# KiCad board Sandy_3in1.kicad_pcb
title: Sandy; date: 2023-01-06; rev: v.0; company: @jpskenn
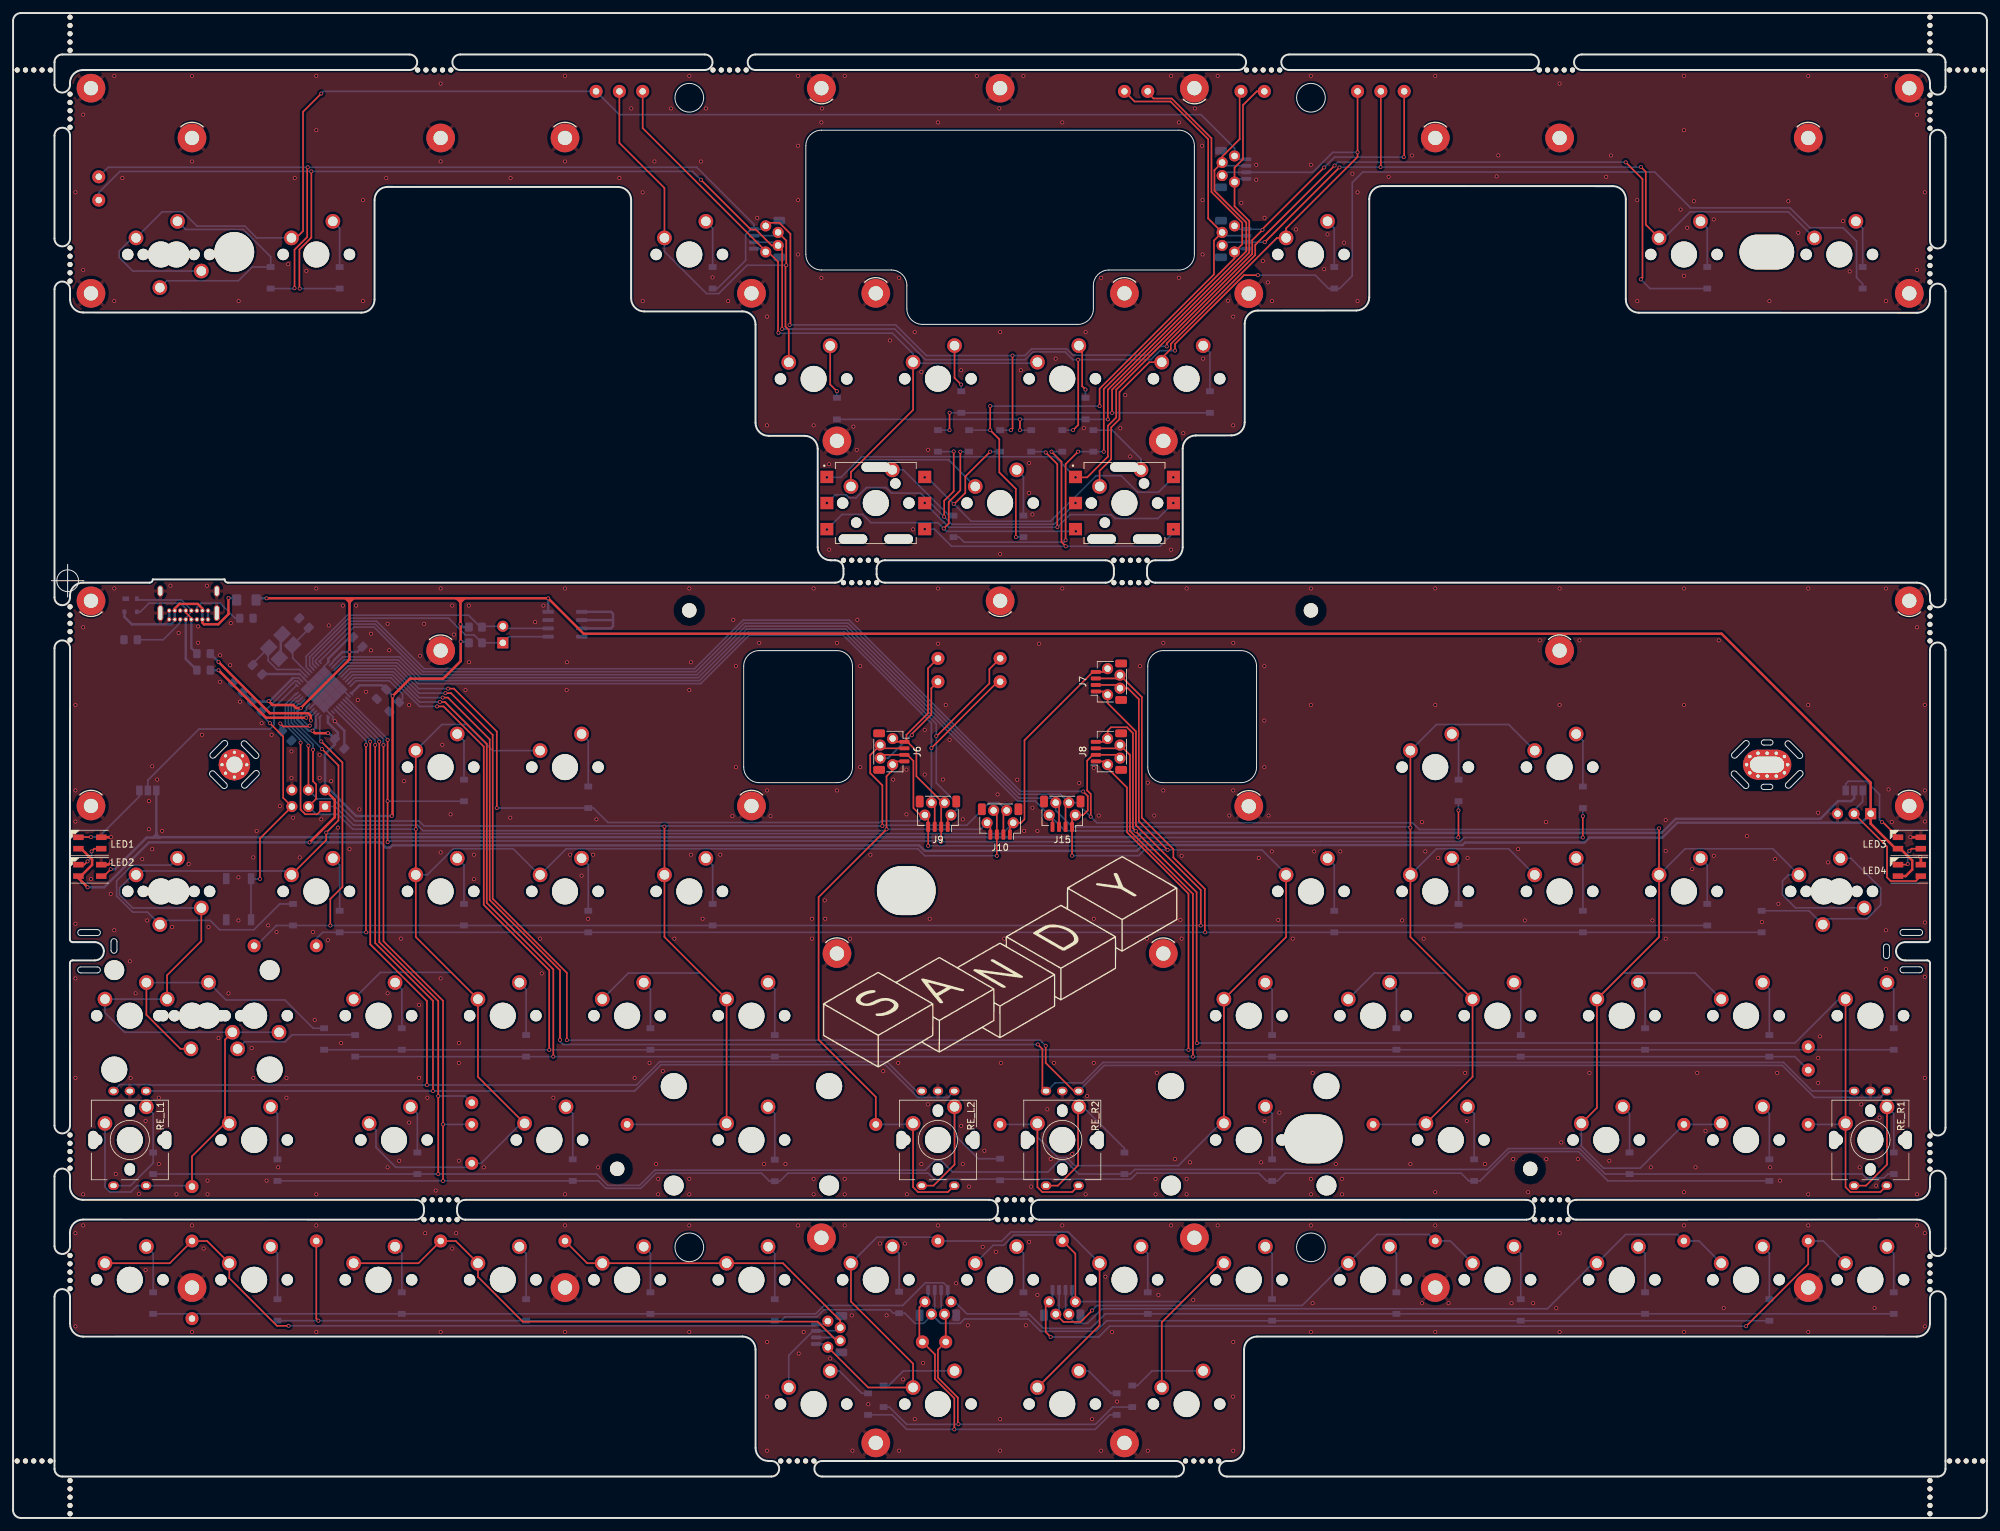
[diagram p0: board, top side]
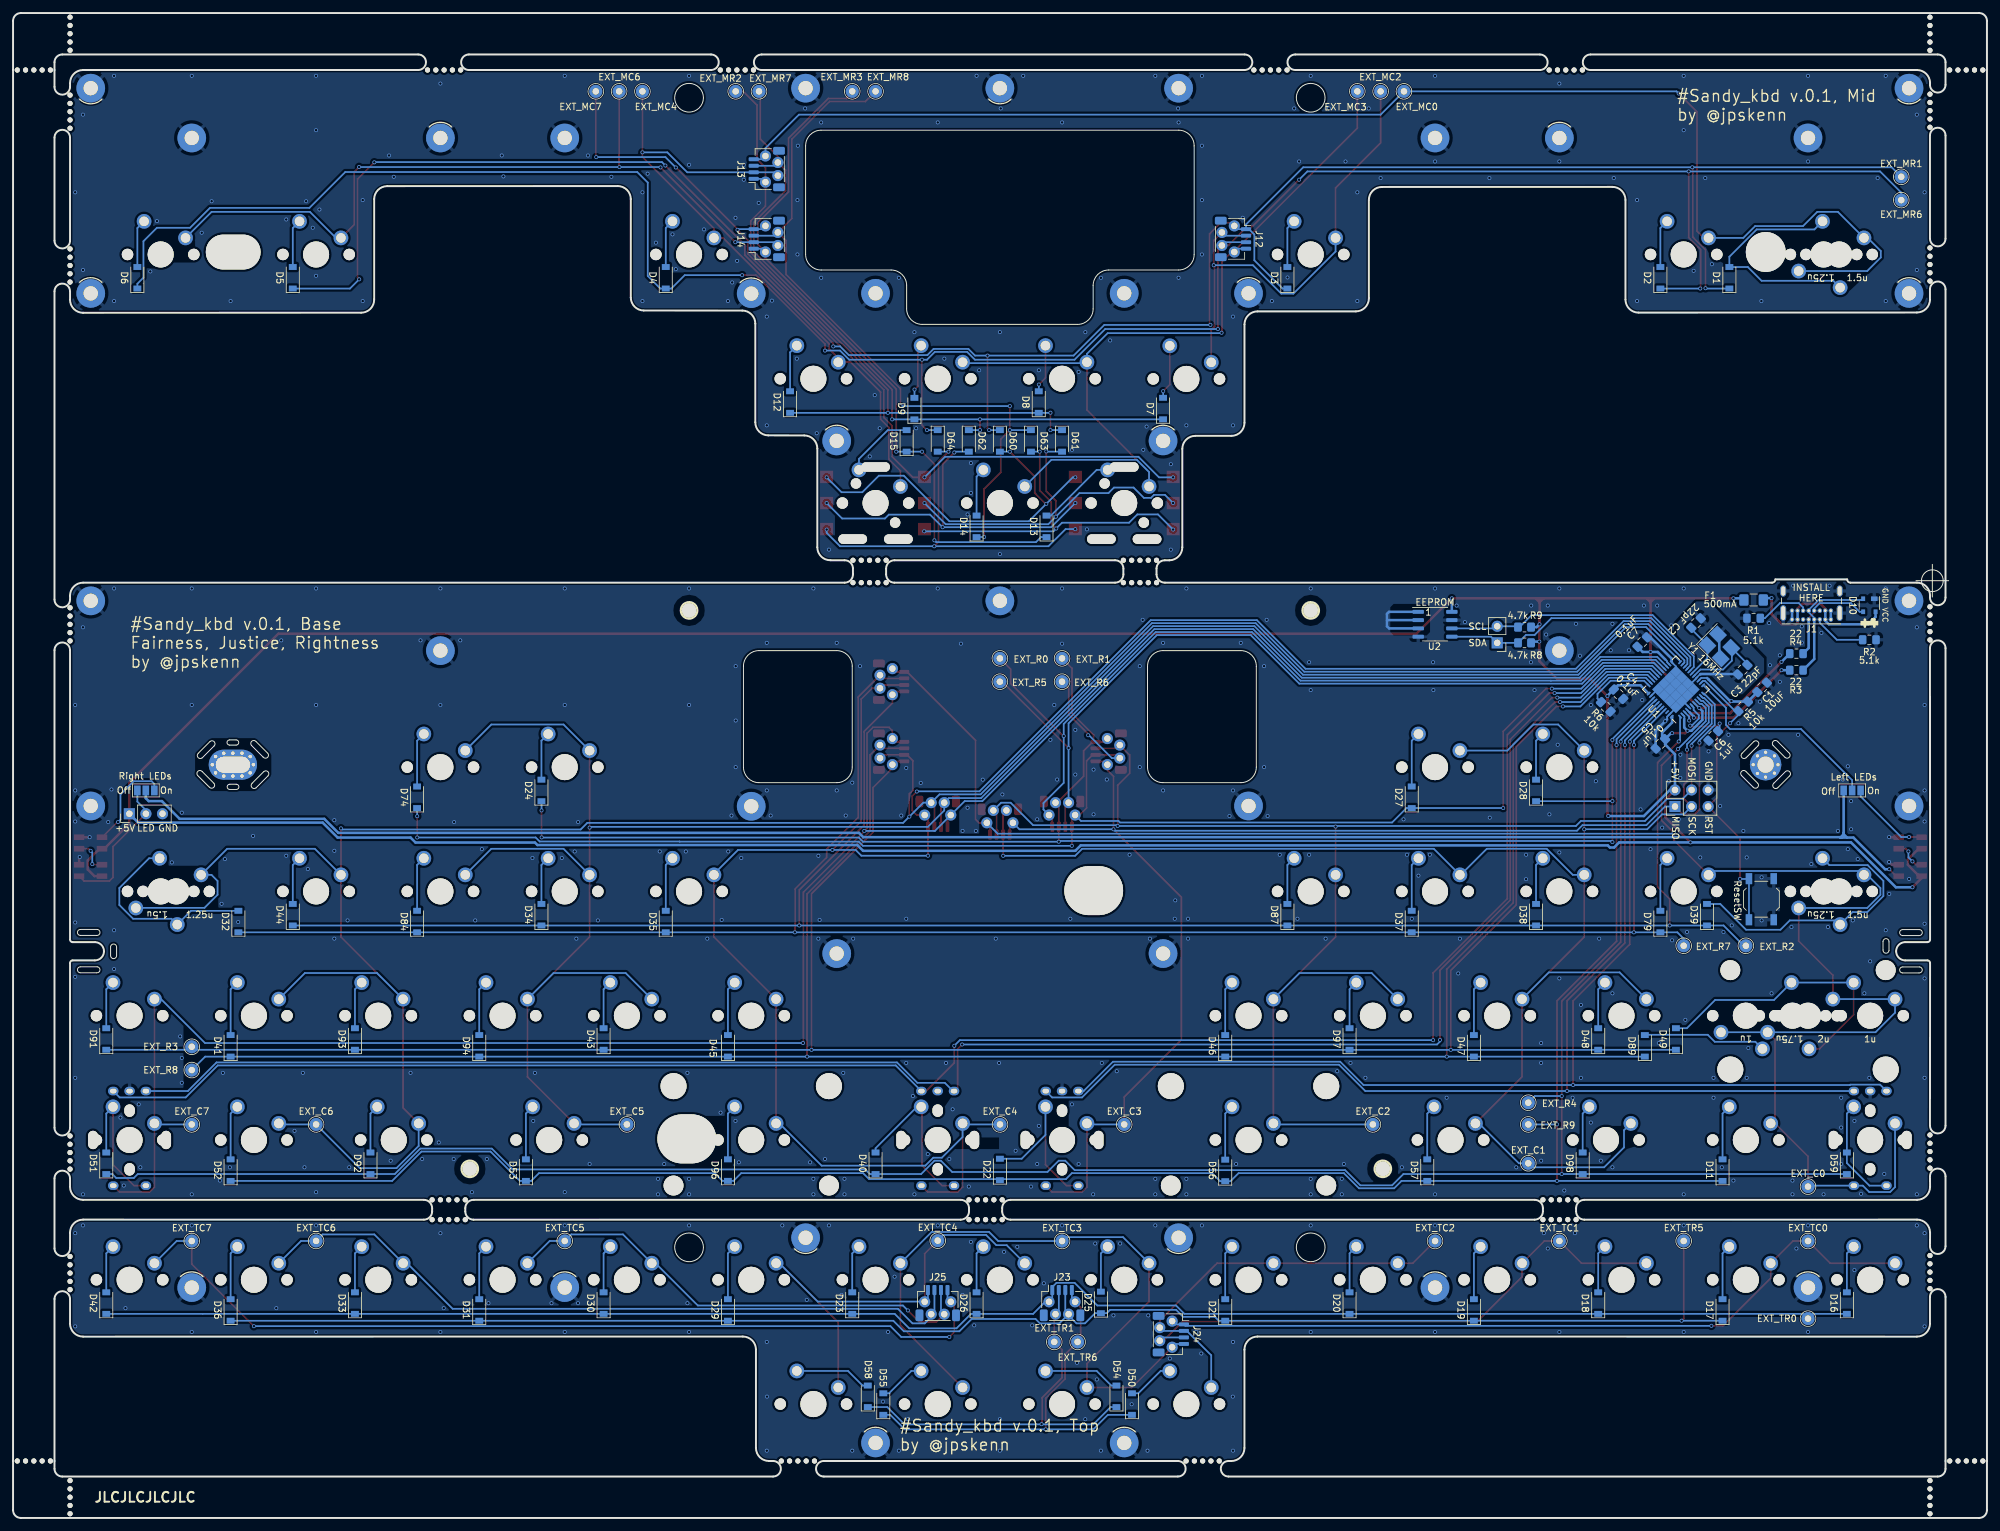
[diagram p1: board, bottom side, seen from below]

Outline 302.45 x 230.68 mm; copper layers: Top, Bottom. Coordinates in mm from the lower left corner of the outline.
Stack: Top 0.035mm / dielectric 1.51mm FR4 er 4.5 / Bottom 0.035mm

## Placement (name value [footprint] x y rotation side)
C1  10uF  [C_0805_2012Metric_Pad1.15x1.40mm_HandSolder]  34.45 127.32 315 bottom
C2  22pF  [C_0805_2012Metric_Pad1.15x1.40mm_HandSolder]  44.58 137.17 135 bottom
C3  22pF  [C_0805_2012Metric_Pad1.15x1.40mm_HandSolder]  37.43 130.03 315 bottom
C4  0.1uF  [C_0805_2012Metric_Pad1.15x1.40mm_HandSolder]  56.46 126.27 45 bottom
C5  0.1uF  [C_0805_2012Metric_Pad1.15x1.40mm_HandSolder]  50.04 118.66 135 bottom
C6  1uF  [C_0805_2012Metric_Pad1.15x1.40mm_HandSolder]  41.93 119.88 315 bottom
C7  0.1uF  [C_0805_2012Metric_Pad1.15x1.40mm_HandSolder]  52.82 134.26 315 bottom
D1  D  [D_SOD-123]  39.47 190.1 90 bottom
D2  D  [D_SOD-123]  50.04 190.1 90 bottom
D3  D  [D_SOD-123]  107.19 190.1 90 bottom
D4  D  [D_SOD-123]  202.44 190.1 90 bottom
D5  D  [D_SOD-123]  259.59 190.1 90 bottom
D6  D  [D_SOD-123]  283.4 190.1 90 bottom
D7  D  [D_SOD-123]  126.24 170.05 90 bottom
D8  D  [D_SOD-123]  145.29 171.05 90 bottom
D9  D  [D_SOD-123]  164.34 170.04 90 bottom
D10  PRTR5V0U2X  [SOT-143]  18.02 139.9 270 bottom
D11  D  [D_SOD-123]  40.51 53.32 90 bottom
D12  D  [D_SOD-123]  183.39 171.05 90 bottom
D13  D  [D_SOD-123]  144.1 152 90 bottom
D14  D  [D_SOD-123]  154.81 152 90 bottom
D15  D  [D_SOD-123]  165.53 165.09 90 bottom
D16  D  [D_SOD-123]  21.46 32.93 90 bottom
D17  D  [D_SOD-123]  40.51 31.88 90 bottom
D18  D  [D_SOD-123]  59.56 32.93 90 bottom
D19  D  [D_SOD-123]  78.61 31.88 90 bottom
D20  D  [D_SOD-123]  97.66 32.93 90 bottom
D21  D  [D_SOD-123]  116.71 31.88 90 bottom
D22  D  [D_SOD-123]  151.24 53.42 90 bottom
D23  D  [D_SOD-123]  173.86 32.93 90 bottom
D24  D  [D_SOD-123]  221.49 111.52 90 bottom
D25  D  [D_SOD-123]  135.76 33.03 90 bottom
D26  D  [D_SOD-123]  154.81 32.93 90 bottom
D27  D  [D_SOD-123]  88.14 110.47 90 bottom
D28  D  [D_SOD-123]  69.09 111.52 90 bottom
D29  D  [D_SOD-123]  192.91 31.88 90 bottom
D30  D  [D_SOD-123]  211.96 32.93 90 bottom
D31  D  [D_SOD-123]  231.01 31.88 90 bottom
D32  D  [D_SOD-123]  267.92 91.42 90 bottom
D33  D  [D_SOD-123]  250.06 32.93 90 bottom
D34  D  [D_SOD-123]  221.49 92.47 90 bottom
D35  D  [D_SOD-123]  202.44 91.42 90 bottom
D36  D  [D_SOD-123]  269.11 31.88 90 bottom
D37  D  [D_SOD-123]  88.14 91.42 90 bottom
D38  D  [D_SOD-123]  69.09 92.47 90 bottom
D39  D  [D_SOD-123]  42.9 92.47 90 bottom
D40  D  [D_SOD-123]  170.29 54.37 90 bottom
D41  D  [D_SOD-123]  269.11 72.37 90 bottom
D42  D  [D_SOD-123]  288.16 32.93 90 bottom
D43  D  [D_SOD-123]  211.96 73.42 90 bottom
D44  D  [D_SOD-123]  259.59 92.47 90 bottom
D45  D  [D_SOD-123]  192.91 72.37 90 bottom
D46  D  [D_SOD-123]  116.71 72.37 90 bottom
D47  D  [D_SOD-123]  78.61 72.37 90 bottom
D48  D  [D_SOD-123]  59.56 73.42 90 bottom
D49  D  [D_SOD-123]  47.66 73.42 90 bottom
D50  D  [D_SOD-123]  131 17.46 90 bottom
D51  D  [D_SOD-123]  288.16 54.37 90 bottom
D52  D  [D_SOD-123]  269.11 53.32 90 bottom
D53  D  [D_SOD-123]  223.87 53.32 90 bottom
D54  D  [D_SOD-123]  133.38 18.65 90 bottom
D55  D  [D_SOD-123]  169.1 17.46 90 bottom
D56  D  [D_SOD-123]  116.71 53.27 90 bottom
D57  D  [D_SOD-123]  85.76 53.32 90 bottom
D58  D  [D_SOD-123]  171.48 18.65 90 bottom
D59  D  [D_SOD-123]  21.46 54.37 90 bottom
D60  D  [D_SOD-123]  151.24 165.09 270 bottom
D61  D  [D_SOD-123]  141.72 165.09 270 bottom
D62  D  [D_SOD-123]  156 165.09 270 bottom
D63  D  [D_SOD-123]  146.48 165.09 270 bottom
D64  D  [D_SOD-123]  160.77 165.09 270 bottom
D74  D  [D_SOD-123]  240.54 110.47 90 bottom
D79  D  [D_SOD-123]  50.04 91.42 90 bottom
D84  D  [D_SOD-123]  240.54 91.42 90 bottom
D87  D  [D_SOD-123]  107.19 92.47 90 bottom
D89  D  [D_SOD-123]  52.42 72.37 90 bottom
D91  D  [D_SOD-123]  288.16 73.42 90 bottom
D92  D  [D_SOD-123]  247.68 54.37 90 bottom
D93  D  [D_SOD-123]  250.06 73.42 90 bottom
D94  D  [D_SOD-123]  231.01 72.37 90 bottom
D96  D  [D_SOD-123]  192.91 53.32 90 bottom
D97  D  [D_SOD-123]  97.66 73.42 90 bottom
D98  D  [D_SOD-123]  61.95 54.37 90 bottom
EXT_C0  Conn_01x01  [TestPoint_THTPad_D2.0mm_Drill1.0mm]  27.42 50.79 180 bottom
EXT_C1  Conn_01x01  [TestPoint_THTPad_D2.0mm_Drill1.0mm]  70.28 54.37 180 bottom
EXT_C2  Conn_01x01  [TestPoint_THTPad_D2.0mm_Drill1.0mm]  94.09 60.32 180 bottom
EXT_C3  Conn_01x01  [TestPoint_THTPad_D2.0mm_Drill1.0mm]  132.19 60.32 180 bottom
EXT_C4  Conn_01x01  [TestPoint_THTPad_D2.0mm_Drill1.0mm]  151.22 60.32 180 bottom
EXT_C5  Conn_01x01  [TestPoint_THTPad_D2.0mm_Drill1.0mm]  208.39 60.32 180 bottom
EXT_C6  Conn_01x01  [TestPoint_THTPad_D2.0mm_Drill1.0mm]  256.02 60.32 180 bottom
EXT_C7  Conn_01x01  [TestPoint_THTPad_D2.0mm_Drill1.0mm]  275.07 60.32 180 bottom
EXT_MC0  Conn_01x01  [TestPoint_THTPad_D2.0mm_Drill1.0mm]  89.33 218.67 180 bottom
EXT_MC2  Conn_01x01  [TestPoint_THTPad_D2.0mm_Drill1.0mm]  92.9 218.67 180 bottom
EXT_MC3  Conn_01x01  [TestPoint_THTPad_D2.0mm_Drill1.0mm]  96.47 218.67 180 bottom
EXT_MC4  Conn_01x01  [TestPoint_THTPad_D2.0mm_Drill1.0mm]  206.01 218.67 180 bottom
EXT_MC6  Conn_01x01  [TestPoint_THTPad_D2.0mm_Drill1.0mm]  209.58 218.67 180 bottom
EXT_MC7  Conn_01x01  [TestPoint_THTPad_D2.0mm_Drill1.0mm]  213.15 218.67 180 bottom
EXT_MR1  Conn_01x01  [TestPoint_THTPad_D2.0mm_Drill1.0mm]  13.13 205.57 180 bottom
EXT_MR2  Conn_01x01  [TestPoint_THTPad_D2.0mm_Drill1.0mm]  191.72 218.67 180 bottom
EXT_MR3  Conn_01x01  [TestPoint_THTPad_D2.0mm_Drill1.0mm]  173.86 218.67 180 bottom
EXT_MR6  Conn_01x01  [TestPoint_THTPad_D2.0mm_Drill1.0mm]  13.13 202 180 bottom
EXT_MR7  Conn_01x01  [TestPoint_THTPad_D2.0mm_Drill1.0mm]  188.15 218.67 180 bottom
EXT_MR8  Conn_01x01  [TestPoint_THTPad_D2.0mm_Drill1.0mm]  170.29 218.67 180 bottom
EXT_R0  Conn_01x01  [TestPoint_THTPad_D2.0mm_Drill1.0mm]  151.24 131.76 180 bottom
EXT_R1  Conn_01x01  [TestPoint_THTPad_D2.0mm_Drill1.0mm]  141.72 131.76 180 bottom
EXT_R2  Conn_01x01  [TestPoint_THTPad_D2.0mm_Drill1.0mm]  36.94 87.7 180 bottom
EXT_R3  Conn_01x01  [TestPoint_THTPad_D2.0mm_Drill1.0mm]  275.07 72.22 0 bottom
EXT_R4  Conn_01x01  [TestPoint_THTPad_D2.0mm_Drill1.0mm]  70.28 63.65 0 bottom
EXT_R5  Conn_01x01  [TestPoint_THTPad_D2.0mm_Drill1.0mm]  151.24 128.18 0 bottom
EXT_R6  Conn_01x01  [TestPoint_THTPad_D2.0mm_Drill1.0mm]  141.72 128.18 0 bottom
EXT_R7  Conn_01x01  [TestPoint_THTPad_D2.0mm_Drill1.0mm]  46.47 87.71 0 bottom
EXT_R8  Conn_01x01  [TestPoint_THTPad_D2.0mm_Drill1.0mm]  275.07 68.65 180 bottom
EXT_R9  Conn_01x01  [TestPoint_THTPad_D2.0mm_Drill1.0mm]  70.28 60.32 180 bottom
EXT_TC0  Conn_01x01  [TestPoint_THTPad_D2.0mm_Drill1.0mm]  27.42 42.45 180 bottom
EXT_TC1  Conn_01x01  [TestPoint_THTPad_D2.0mm_Drill1.0mm]  65.52 42.45 180 bottom
EXT_TC2  Conn_01x01  [TestPoint_THTPad_D2.0mm_Drill1.0mm]  84.57 42.45 180 bottom
EXT_TC3  Conn_01x01  [TestPoint_THTPad_D2.0mm_Drill1.0mm]  141.72 42.45 180 bottom
EXT_TC4  Conn_01x01  [TestPoint_THTPad_D2.0mm_Drill1.0mm]  160.77 42.51 180 bottom
EXT_TC5  Conn_01x01  [TestPoint_THTPad_D2.0mm_Drill1.0mm]  217.92 42.46 180 bottom
EXT_TC6  Conn_01x01  [TestPoint_THTPad_D2.0mm_Drill1.0mm]  256.02 42.46 180 bottom
EXT_TC7  Conn_01x01  [TestPoint_THTPad_D2.0mm_Drill1.0mm]  275.07 42.45 180 bottom
EXT_TR0  Conn_01x01  [TestPoint_THTPad_D2.0mm_Drill1.0mm]  27.42 30.55 180 bottom
EXT_TR1  Conn_01x01  [TestPoint_THTPad_D2.0mm_Drill1.0mm]  142.91 26.98 180 bottom
EXT_TR5  Conn_01x01  [TestPoint_THTPad_D2.0mm_Drill1.0mm]  46.47 42.46 180 bottom
EXT_TR6  Conn_01x01  [TestPoint_THTPad_D2.0mm_Drill1.0mm]  139.34 26.98 180 bottom
F1  500mA  [Fuse_1206_3216Metric_Pad1.42x1.75mm_HandSolder]  35.75 140.71 180 bottom
H1  MountingHole  [MountingHole_2.2mm_M2_No_Cu]  103.62 139.11 180 bottom
H2  MountingHole  [MountingHole_2.2mm_M2_No_Cu]  198.87 139.11 180 bottom
H3  MountingHole  [MountingHole_2.2mm_M2_No_Cu]  92.57 53.51 180 bottom
H5  MountingHole  [MountingHole_2.2mm_M2_No_Cu]  232.47 53.51 180 bottom
H6  MountingHole  [MountingHole_2.2mm_M2_Pad_minimal]  11.94 140.58 180 top
H7  MountingHole  [MountingHole_2.2mm_M2_Pad_minimal]  65.52 132.95 0 top
H8  MountingHole  [MountingHole_2.2mm_M2_Pad_minimal]  151.24 140.58 180 top
H9  MountingHole  [MountingHole_2.2mm_M2_Pad_minimal]  236.97 132.95 0 top
H10  MountingHole  [MountingHole_2.2mm_M2_Pad_minimal]  290.55 109.13 0 top
H11  MountingHole  [MountingHole_2.2mm_M2_Pad_minimal]  11.94 109.13 0 top
H12  MountingHole  [MountingHole_2.2mm_M2_Pad_minimal]  290.55 140.58 180 top
H13  MountingHole  [MountingHole_2.2mm_M2_Pad_minimal]  113.14 109.13 0 top
H14  MountingHole  [MountingHole_2.2mm_M2_Pad_minimal]  189.34 109.09 0 top
H15  MountingHole  [MountingHole_2.2mm_M2_Pad_minimal]  11.94 219.16 0 bottom
H16  MountingHole  [MountingHole_2.2mm_M2_Pad_minimal]  65.52 211.53 180 bottom
H17  MountingHole  [MountingHole_2.2mm_M2_Pad_minimal]  151.24 219.16 0 bottom
H18  MountingHole  [MountingHole_2.2mm_M2_Pad_minimal]  236.97 211.53 180 bottom
H19  MountingHole  [MountingHole_2.2mm_M2_Pad_minimal]  290.55 219.16 0 bottom
H20  MountingHole  [MountingHole_2.2mm_M2_Pad_minimal]  11.94 187.71 180 bottom
H21  MountingHole  [MountingHole_2.2mm_M2_Pad_minimal]  290.55 187.71 180 bottom
H22  MountingHole  [MountingHole_2.2mm_M2_Pad_minimal]  113.14 187.72 180 bottom
H23  MountingHole  [MountingHole_2.2mm_M2_Pad_minimal]  189.34 187.67 180 bottom
H24  MountingHole  [MountingHole_2.2mm_M2_Pad_minimal]  123.86 219.16 180 top
H25  MountingHole  [MountingHole_2.2mm_M2_Pad_minimal]  181.01 219.16 180 top
H26  MountingHole  [MountingHole_2.2mm_M2_Pad_minimal]  27.42 211.53 0 top
H27  MountingHole  [MountingHole_2.2mm_M2_Pad_minimal]  84.57 211.53 0 top
H28  MountingHole  [MountingHole_2.2mm_M2_Pad_minimal]  217.92 211.53 0 top
H29  MountingHole  [MountingHole_2.2mm_M2_Pad_minimal]  275.07 211.53 0 top
H30  MountingHole  [MountingHole_2.2mm_M2_Pad_minimal]  132.19 187.72 0 top
H31  MountingHole  [MountingHole_2.2mm_M2_Pad_minimal]  170.29 187.72 0 top
H32  MountingHole  [MountingHole_2.2mm_M2_Pad_minimal]  123.86 42.95 0 bottom
H33  MountingHole  [MountingHole_2.2mm_M2_Pad_minimal]  181.01 42.95 0 bottom
H34  MountingHole  [MountingHole_2.2mm_M2_Pad_minimal]  27.42 35.32 180 bottom
H35  MountingHole  [MountingHole_2.2mm_M2_Pad_minimal]  84.57 35.32 180 bottom
H36  MountingHole  [MountingHole_2.2mm_M2_Pad_minimal]  217.92 35.32 180 bottom
H37  MountingHole  [MountingHole_2.2mm_M2_Pad_minimal]  275.07 35.32 180 bottom
H38  MountingHole  [MountingHole_2.2mm_M2_Pad_minimal]  132.19 11.5 180 bottom
H39  MountingHole  [MountingHole_2.2mm_M2_Pad_minimal]  170.29 11.5 180 bottom
H40  MountingHole  [MountingHole_2.2mm_M2_Pad_minimal]  126.24 86.51 0 top
H41  MountingHole  [MountingHole_2.2mm_M2_Pad_minimal]  176.25 86.51 0 top
H42  MountingHole  [MountingHole_2.2mm_M2_Pad_minimal]  126.24 165.09 180 bottom
H43  MountingHole  [MountingHole_2.2mm_M2_Pad_minimal]  176.25 165.09 180 bottom
J1  USB_C_Receptacle_USB2.0  [USB_C_Receptacle_GCT_USB4085]  23.92 137.72 0 bottom
J2  Conn_01x03  [PinHeader_1x03_P2.54mm_Vertical]  284.63 107.94 90 bottom
J3  Conn_01x02  [PinHeader_1x02_P2.54mm_Vertical]  75.04 134.14 0 bottom
J4  Conn_02x03_Odd_Even  [PinHeader_2x03_P2.54mm_Vertical]  47.8 109.05 90 bottom
J6  Conn_02x02_Top_Bottom  [JST_SH_SM04B-SRSS-TB_1x04-1MP_P1.00mm_Horizontal_wCable_housing_spare_pin]  134.57 117.47 270 top
J7  Conn_02x02_Top_Bottom  [JST_SH_SM04B-SRSS-TB_1x04-1MP_P1.00mm_Horizontal_wCable_housing_spare_pin]  167.91 128.18 90 top
J8  Conn_02x02_Top_Bottom  [JST_SH_SM04B-SRSS-TB_1x04-1MP_P1.00mm_Horizontal_wCable_housing_spare_pin]  167.91 117.47 90 top
J9  Conn_02x02_Top_Bottom  [JST_SH_SM04B-SRSS-TB_1x04-1MP_P1.00mm_Horizontal_wCable_housing_spare_pin]  141.72 107.94 180 top
J10  Conn_02x02_Top_Bottom  [JST_SH_SM04B-SRSS-TB_1x04-1MP_P1.00mm_Horizontal_wCable_housing_spare_pin]  151.24 106.75 180 top
J12  Conn_02x02_Top_Bottom  [JST_SH_SM04B-SRSS-TB_1x04-1MP_P1.00mm_Horizontal_wCable_housing_spare_pin]  115.52 196.05 270 bottom
J13  Conn_02x02_Top_Bottom  [JST_SH_SM04B-SRSS-TB_1x04-1MP_P1.00mm_Horizontal_wCable_housing_spare_pin]  186.96 206.77 90 bottom
J14  Conn_02x02_Top_Bottom  [JST_SH_SM04B-SRSS-TB_1x04-1MP_P1.00mm_Horizontal_wCable_housing_spare_pin]  186.96 196.05 90 bottom
J15  Conn_02x02_Top_Bottom  [JST_SH_SM04B-SRSS-TB_1x04-1MP_P1.00mm_Horizontal_wCable_housing_spare_pin]  160.77 107.94 180 top
J23  Conn_02x02_Top_Bottom  [JST_SH_SM04B-SRSS-TB_1x04-1MP_P1.00mm_Horizontal_wCable_housing_spare_pin]  141.72 32.93 180 bottom
J24  Conn_02x02_Top_Bottom  [JST_SH_SM04B-SRSS-TB_1x04-1MP_P1.00mm_Horizontal_wCable_housing_spare_pin]  125.05 28.17 270 bottom
J25  Conn_02x02_Top_Bottom  [JST_SH_SM04B-SRSS-TB_1x04-1MP_P1.00mm_Horizontal_wCable_housing_spare_pin]  160.77 32.93 180 bottom
JP_LED1  SolderJumper_3_Open  [SolderJumper-3_P1.3mm_Open_Pad1.0x1.5mm_NumberLabels]  20.65 111.52 0 bottom
JP_LED2  SolderJumper_3_Open  [SolderJumper-3_P1.3mm_Open_Pad1.0x1.5mm_NumberLabels]  282.1 111.52 0 bottom
LED1  SK6812MINI  [LED_SK6812MINI_PLCC4_3.5x3.5mm_P1.75mm_TriangleMark_Thick]  11.77 103.46 180 top
LED2  SK6812MINI  [LED_SK6812MINI_PLCC4_3.5x3.5mm_P1.75mm_TriangleMark_Thick]  11.77 99.26 180 top
LED3  SK6812MINI  [LED_SK6812MINI_PLCC4_3.5x3.5mm_P1.75mm_TriangleMark_Thick]  290.57 103.46 180 top
LED4  SK6812MINI  [LED_SK6812MINI_PLCC4_3.5x3.5mm_P1.75mm_TriangleMark_Thick]  290.57 99.26 180 top
LOGO1  Logo_Base  [Sandy_logo_w55]  151.24 85.32 0 top
NOREF  -  [1d23b097-72e0-487b-bec7-a328ee8b6ed7]  134.5 12.69 0 top
NOREF#2  -  [1d23b097-72e0-487b-bec7-a328ee8b6ed7]  134.57 110.33 0 top
R1  5.1k  [R_0805_2012Metric_Pad1.15x1.40mm_HandSolder]  35.75 137.92 180 bottom
R2  5.1k  [R_0805_2012Metric_Pad1.15x1.40mm_HandSolder]  18.02 134.61 0 bottom
R3  22  [R_0805_2012Metric_Pad1.15x1.40mm_HandSolder]  29.2 129.95 180 bottom
R4  22  [R_0805_2012Metric_Pad1.15x1.40mm_HandSolder]  29.2 132.49 180 bottom
R5  10k  [R_0805_2012Metric_Pad1.15x1.40mm_HandSolder]  37.36 124.42 315 bottom
R6  10k  [R_0805_2012Metric_Pad1.15x1.40mm_HandSolder]  58.41 124.33 45 bottom
R8  4.7k  [R_0805_2012Metric_Pad1.20x1.40mm_HandSolder]  70.85 134.14 0 bottom
R9  4.7k  [R_0805_2012Metric_Pad1.20x1.40mm_HandSolder]  70.85 136.55 0 bottom
REF**  60_Outline  [60_Outline-Sandy-Top-NoSwImage-WithHole2-ECO1]  151.24 203.19 0 top
REF**#2  60_Outline  [60_Outline-Sandy8]  151.24 76.99 0 top
ResetSW1  5.2x5.2mm  [SW_SPST_TL3342]  34.57 94.84 270 bottom
S1  JS5208  [SW_JS5208_add_MP_hole]  132.19 155.57 0 top
S2  JS5208  [SW_JS5208_add_MP_hole]  170.29 155.57 0 top
SW_1  SW_Push  [MXOnly-1U-NoLED]  36.94 36.51 0 top
SW_2  SW_Push  [MXOnly-1U-NoLED]  55.99 36.51 0 top
SW_3  SW_Push  [MXOnly-1U-NoLED]  75.04 36.51 0 top
SW_4  SW_Push  [MXOnly-1U-NoLED]  94.09 36.51 0 top
SW_5  SW_Push  [MXOnly-1U-NoLED]  113.14 36.51 0 top
SW_6  SW_Push  [MXOnly-1U-NoLED]  170.29 36.51 0 top
SW_7  SW_Push  [MXOnly-1U-NoLED]  189.34 36.51 0 top
SW_8  SW_Push  [MXOnly-1U-NoLED]  208.39 36.51 0 top
SW_9  SW_Push  [MXOnly-1U-NoLED]  227.44 36.51 0 top
SW_10  SW_Push  [MXOnly-1U-NoLED]  246.49 36.51 0 top
SW_'1  SW_Push  [MXOnly-1U-NoLED]  160.77 174.62 0 top
SW_-1  SW_Push  [MXOnly-1U-NoLED]  265.54 36.51 0 top
SW_;1  SW_Push  [MXOnly-1U-NoLED]  256.02 96.04 0 top
SW_;2  SW_Push  [MXOnly-1U-NoLED]  141.72 174.62 0 top
SW_<1  SW_Push  [MXOnly-1U-NoLED]  227.44 76.99 0 top
SW_=1  SW_Push  [MXOnly-1U-NoLED]  284.59 36.51 0 top
SW_>1  SW_Push  [MXOnly-1U-NoLED]  246.49 76.99 0 top
SW_[1  SW_Push  [MXOnly-1U-NoLED]  141.72 17.46 0 top
SW_\1  SW_Push  [MXOnly-1U-NoLED]  151.24 36.51 0 top
SW_]1  SW_Push  [MXOnly-1U-NoLED]  160.77 17.46 0 top
SW_`1  SW_Push  [MXOnly-1U-NoLED]  132.19 36.51 0 top
SW_A1  SW_Push  [MXOnly-1U-NoLED]  46.47 96.04 0 top
SW_BS1.5u1  SW_Push  [MXOnly-1.5U-NoLED]  279.83 193.67 0 top
SW_C1  SW_Push  [MXOnly-1U-NoLED]  94.09 76.99 0 top
SW_CAPS1u1  SW_Push  [MXOnly-1U-NoLED]  17.89 57.94 0 top
SW_CenterL1u1  SW_Push  [MXOnly-1U-NoLED]  141.72 57.94 0 top
SW_CenterR1u1  SW_Push  [MXOnly-1U-NoLED]  160.77 57.94 0 top
SW_CTL1.5u1  SW_Push  [MXOnly-1.5U-NoLED]  22.65 96.04 0 top
SW_CTL1.25u1  SW_Push  [MXOnly-1.25U-NoLED]  25.04 96.04 180 top
SW_D1  SW_Push  [MXOnly-1U-NoLED]  84.57 96.04 0 top
SW_DOWN1  SW_Push  [MXOnly-1U-NoLED]  265.54 57.94 0 top
SW_E1  SW_Push  [MXOnly-1U-NoLED]  84.57 115.09 0 top
SW_ENT1.5u1  SW_Push  [MXOnly-1.5U-NoLED]  279.83 96.04 180 top
SW_ENT1.25u1  SW_Push  [MXOnly-1.25U-NoLED]  277.45 96.04 0 top
SW_ESC1  SW_Push  [MXOnly-1U-NoLED]  17.89 36.51 0 top
SW_F1  SW_Push  [MXOnly-1U-NoLED]  103.62 96.04 0 top
SW_Fn1u1  SW_Push  [MXOnly-1U-NoLED]  284.59 76.99 0 top
SW_G1  SW_Push  [MXOnly-1U-NoLED]  122.67 174.59 0 top
SW_H1  SW_Push  [MXOnly-1U-NoLED]  179.82 174.62 0 top
SW_I1  SW_Push  [MXOnly-1U-NoLED]  217.92 115.09 0 top
SW_J1  SW_Push  [MXOnly-1U-NoLED]  198.87 96.04 0 top
SW_K1  SW_Push  [MXOnly-1U-NoLED]  217.92 96.04 0 top
SW_L1  SW_Push  [MXOnly-1U-NoLED]  236.97 96.04 0 top
SW_L2-1u1  SW_Push  [MXOnly-1U-NoLED]  36.94 57.94 0 top
SW_LALT1.25u1  SW_Push  [MXOnly-1.25U-NoLED]  82.19 57.94 0 top
SW_LSFT1.75u1  SW_Push  [MXOnly-1.75U-NoLED]  29.8 76.99 180 top
SW_LSFT1u1  SW_Push  [MXOnly-1U-NoLED]  17.89 76.99 0 top
SW_LSFT1u2  SW_Push  [MXOnly-1U-NoLED]  36.94 76.99 180 top
SW_LSFT2u1  SW_Push  [MXOnly-2U-NoLED]  27.42 76.99 0 top
SW_LSPC2u1  SW_Push  [MXOnly-2U-ReversedStabilizers-NoLED]  113.14 57.94 0 top
SW_LWIN1.25u1  SW_Push  [MXOnly-1.25U-NoLED]  58.37 57.94 0 top
SW_M1  SW_Push  [MXOnly-1U-NoLED]  208.39 76.99 0 top
SW_N1  SW_Push  [MXOnly-1U-NoLED]  189.34 76.99 0 top
SW_O1  SW_Push  [MXOnly-1U-NoLED]  236.97 115.09 0 top
SW_P1  SW_Push  [MXOnly-1U-NoLED]  256.02 193.67 0 top
SW_Q1  SW_Push  [MXOnly-1U-NoLED]  46.47 193.67 0 top
SW_R1  SW_Push  [MXOnly-1U-NoLED]  103.62 193.67 0 top
SW_R4CenterC1  SW_Push  [MXOnly-1U-NoLED]  151.24 155.57 0 top
SW_R4CenterL1  SW_Push  [MXOnly-1U-NoLED]  132.19 155.57 0 top
SW_R4CenterR1  SW_Push  [MXOnly-1U-NoLED]  170.29 155.57 0 top
SW_RALT1.25u1  SW_Push  [MXOnly-1.25U-NoLED]  220.3 57.94 0 top
SW_RE_L1  RotaryEncoder_Switch  [RotaryEncoder_Alps_EC11K-Switch_Vertical_H20mm_NPTH_MP]  17.89 57.94 0 top
SW_RE_L2  RotaryEncoder_Switch  [RotaryEncoder_Alps_EC11K-Switch_Vertical_H20mm_NPTH_MP]  141.72 57.94 0 top
SW_RE_R1  RotaryEncoder_Switch  [RotaryEncoder_Alps_EC11K-Switch_Vertical_H20mm_NPTH_MP]  284.59 57.94 0 top
SW_RE_R2  RotaryEncoder_Switch  [RotaryEncoder_Alps_EC11K-Switch_Vertical_H20mm_NPTH_MP]  160.77 57.94 0 top
SW_RIGHT1  SW_Push  [MXOnly-1U-NoLED]  284.59 57.94 0 top
SW_ROPT1.25u1  SW_Push  [MXOnly-1.25U-NoLED]  244.11 57.94 0 top
SW_RSPC2u1  SW_Push  [MXOnly-2U-ReversedStabilizers-NoLED]  189.34 57.94 0 top
SW_S1  SW_Push  [MXOnly-1U-NoLED]  65.52 96.04 0 top
SW_T1  SW_Push  [MXOnly-1U-NoLED]  122.67 17.46 0 top
SW_TAB1.5u1  SW_Push  [MXOnly-1.5U-NoLED]  22.65 193.67 0 top
SW_TAB1.25u1  SW_Push  [MXOnly-1.25U-NoLED]  25.04 193.67 180 top
SW_U1  SW_Push  [MXOnly-1U-NoLED]  198.87 193.67 0 top
SW_UP1  SW_Push  [MXOnly-1U-NoLED]  265.54 76.99 0 top
SW_V1  SW_Push  [MXOnly-1U-NoLED]  113.14 76.99 0 top
SW_W1  SW_Push  [MXOnly-1U-NoLED]  65.52 115.09 0 top
SW_X1  SW_Push  [MXOnly-1U-NoLED]  75.04 76.99 0 top
SW_Y1  SW_Push  [MXOnly-1U-NoLED]  179.82 17.46 0 top
SW_Z1  SW_Push  [MXOnly-1U-NoLED]  55.99 76.99 0 top
U1  ATmega32U4-MU  [QFN-44-1EP_7x7mm_Pitch0.5mm]  47.66 126.99 45 bottom
U2  24LC64  [SO-8_3.9x4.9mm_P1.27mm]  84.57 136.99 180 bottom
Y1  16MHz  [Crystal_SMD_3225-4Pin_3.2x2.5mm_HandSoldering]  41.01 133.6 225 bottom
